# KiCad board vanilla-ice40-8k.kicad_pcb (continued)
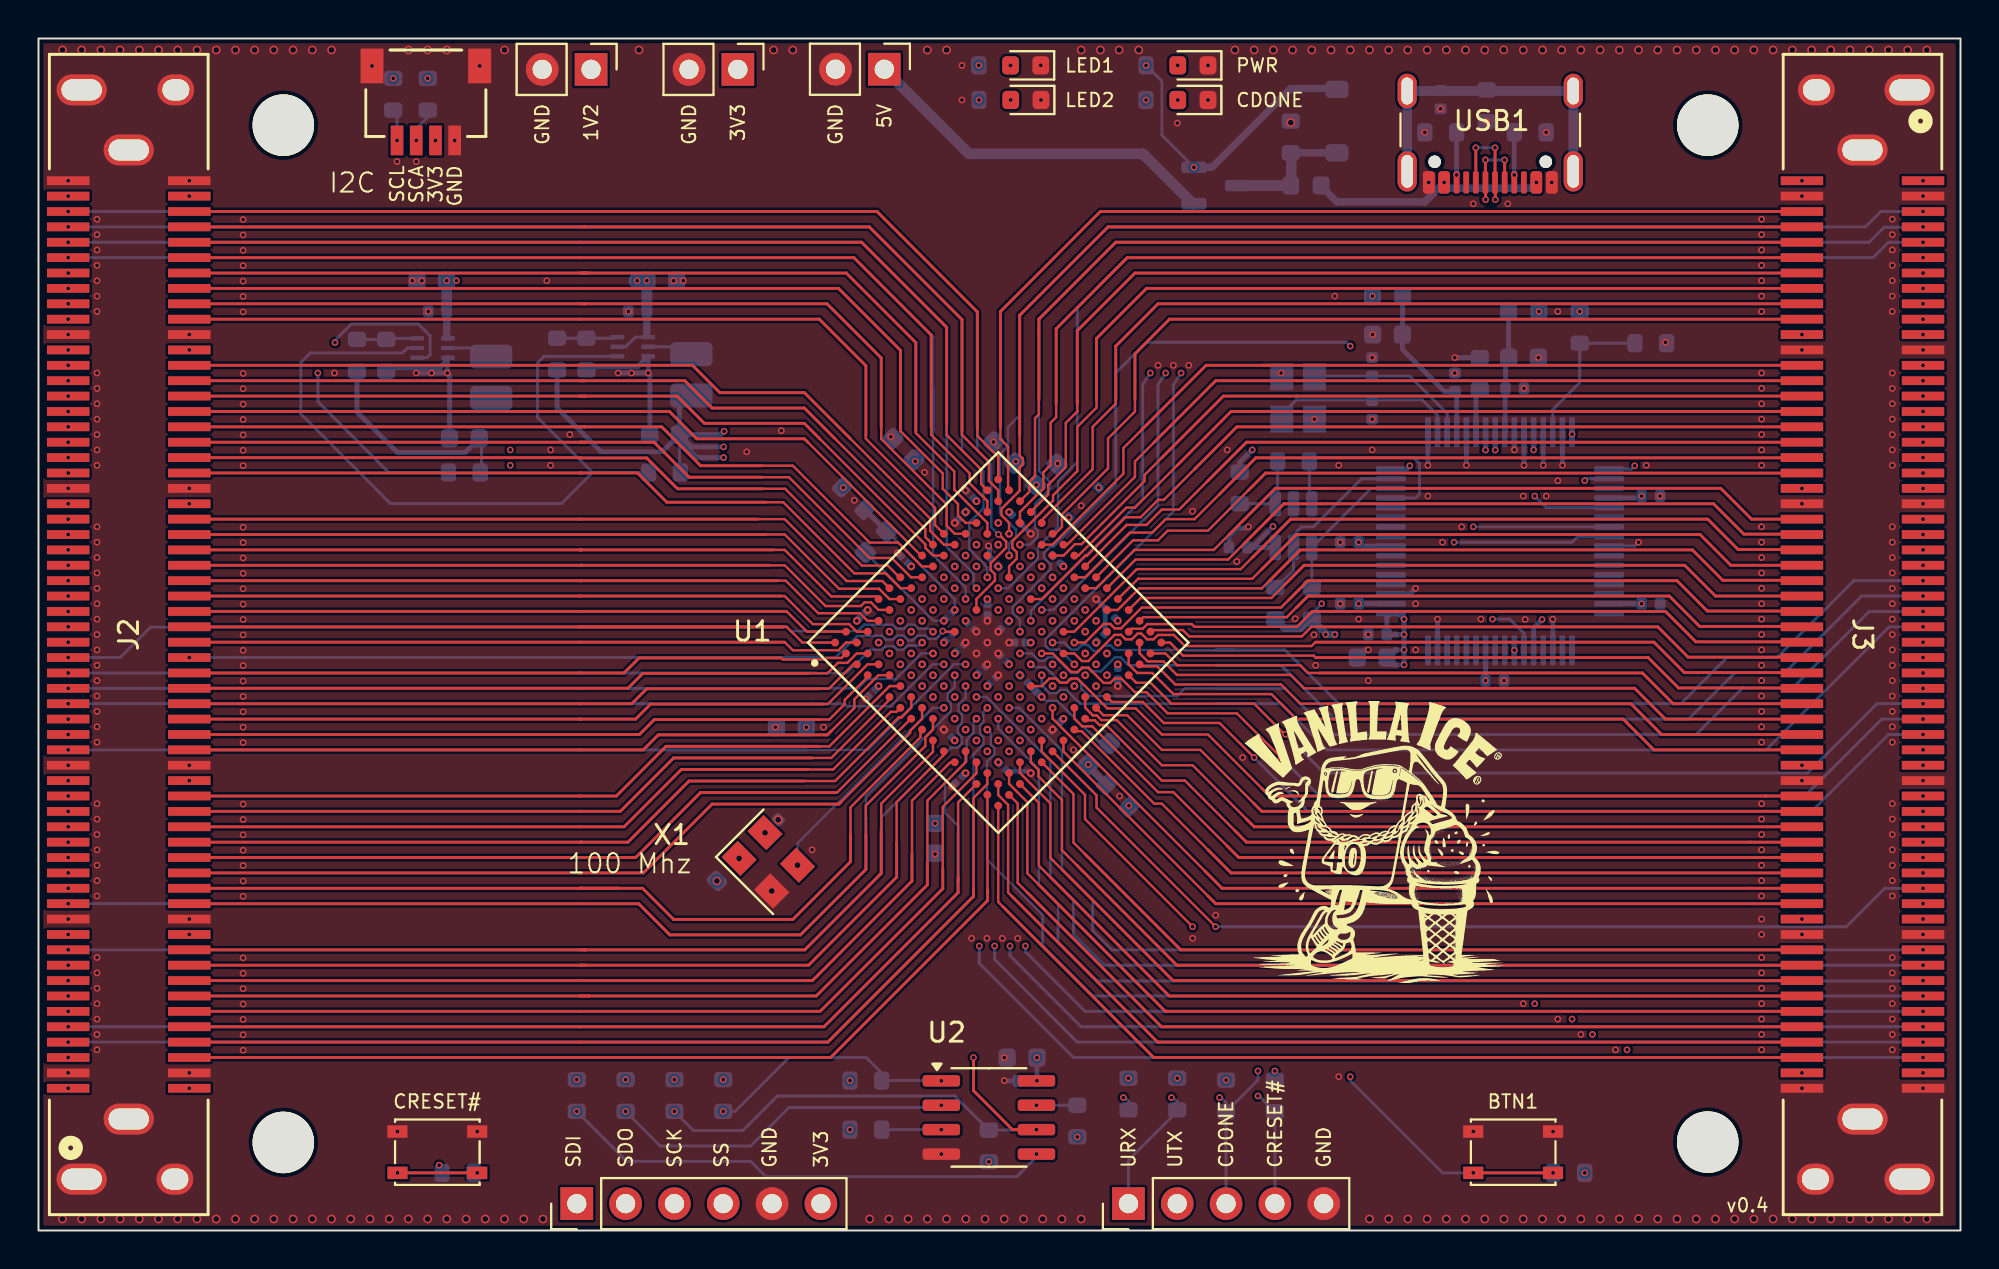
[diagram p0: board, top side]
## Routing (per net, layer and track width the routed paths; a pad name or vN(x,y) marks a point on that pad's centre or on a via; arc(x,y) is an arc through that point) (continued)
/IOB_91: length 35
  Top w0.127: 66.65,29 66.05,29 65.65,29.4 59.25,29.4 58.63,30.01 U1.T15
  Top w0.156: J3.95 85.05,27.4 83.45,29 66.65,29
/IOB_92: length 36.2
  Top w0.127: U1.T14 57.29,29.34 ; U1.T14 57.38,29.45 ; U1.T14 57.39,29.35 58.2,29.35 59.15,28.4 64.65,28.4 65.65,27.4 67.05,27.4
  Top w0.156: 67.05,27.4 82.85,27.4 84.45,25.8 J3.97
/IOB_93: length 39.8
  Top w0.127: U1.M11 53.9,30.01 54.29,29.62 54.62,29.62 55.99,30.98 56.33,30.98 56.56,30.75 56.88,30.75 57.18,31.05 57.38,31.05 57.68,30.75 58.02,30.75 58.24,30.98 59.07,30.98 59.65,30.4 66.23,30.4 66.43,30.6 66.45,30.6
  Top w0.156: 91.03,29.02 85.63,29.02 84.05,30.6 66.45,30.6
/IOB_94: length 44.9
  Top w0.127: U1.T13 57.11,28.49 57.86,28.49 58.95,27.4 63.25,27.4 64.83,25.81 v1(64.87,25.81)
  Bottom w0.156: v1(98.05,27.4) 95.65,27.4 92.05,23.8 66.89,23.8 v1(64.87,25.81)
/IOB_98: length 46.3
  In2.Cu w0.127: 60.25,29.8 56.32,29.8 55.74,30.38 55.34,30.38 54.98,30.01 v1(54.46,30.01)
  In2.Cu w0.156: v1(98.05,35.4) 95.65,35.4 92.45,32.2 64.25,32.2 61.85,29.8 60.25,29.8
/IOB_99: length 50.7
  Bottom w0.127: v1(52.76,30.58) 53.38,30.58 53.74,30.21 54.04,30.21 54.29,30.46 54.59,30.46 54.9,30.14 55.14,30.14 55.42,30.43 55.79,30.43 56.02,30.2 62.25,30.2
  Bottom w0.156: 61.25,30.2 64.85,30.2 67.65,27.4 85.45,27.4 87.85,29.8 90.45,29.8 94.45,33.8 v1(98.05,33.8)
/IOB_100: length 33.6
  Top w0.127: U1.T16 58.87,30.58 59.55,29.9 66.35,29.9 66.45,29.8
  Top w0.156: 91.03,28.22 85.33,28.22 83.75,29.8 66.45,29.8
/IOB_101: length 39.3
  Top w0.127: 65.05,32.8 64.65,32.4 57.4,32.4 56.32,31.32 55.99,31.32 55.76,31.55 55.42,31.55 54.45,30.58 v1(53.89,30.58)
  Top w0.156: 65.05,32.8 66.05,33.8 85.25,33.8 86.83,32.22 91.03,32.22
/IOB_102: length 34.2
  Top w0.127: U1.R16 57.94,31.23 59.54,31.23 59.87,30.9 65.73,30.9 65.94,31.12 65.94,31.12 66.22,31.4 66.45,31.4
  Top w0.156: 91.03,29.82 85.83,29.82 84.25,31.4 66.45,31.4
/IOB_105_SDO: length 60.3
  Top w0.156: 28.05,1.44 J5.1
  In3.Cu w0.127: 57.25,19.8 57.25,27.74 55.54,29.45 v1(55.02,29.45)
  In3.Cu w0.156: 57.25,19.8 57.25,13 53.25,9 53.25,4.29 52.93,3.98 v1(51.92,3.98) ; J5.1 v1(28.01,6.2)
  Bottom w0.156: v1(28.01,6.2) 28.01,6.16 ; v1(28.01,6.2) 30.61,3.6 37.05,3.6 37.85,2.8 50.9,2.8 51.92,3.83 v1(51.92,3.98) ; v1(28.01,6.2) 28.05,6.2
/IOB_106_SDI: length 50.5
  In3.Cu w0.127: v1(54.46,28.88) 54.46,24.59 53.85,23.98 53.85,19.8
  In3.Cu w0.156: J5.2 v1(30.55,6.2) ; 53.85,19.8 53.85,16.4 45.25,7.8 45.25,7 45.73,6.52 v1(46.97,6.52)
  Bottom w0.156: v1(30.55,6.2) 32.35,4.4 37.05,4.4 39.05,6.4 46.86,6.4 v1(46.97,6.52)
/IOB_107_SCK: length 53.6
  Top w0.156: v1(48.65,9) 48.65,7.27 50.67,5.25 v1(51.92,5.25)
  In3.Cu w0.127: 54.98,28.28 v1(55.02,28.32) 55.25,28.09 55.25,19.8
  In3.Cu w0.156: v1(48.65,9) 55.25,15.6 55.25,19.8 ; J5.3 v1(33.09,6.2)
  Bottom w0.156: 51.9,5.22 R20.2 47.67,7 38.45,7 36.65,5.2 34.09,5.2 v1(33.09,6.2)
/IOB_108_SS: length 44.9
  In3.Cu w0.127: 56.25,19.8 56.25,22.08 55.88,22.45 55.88,22.75 56.05,22.92 56.05,27.4 55.59,27.86 v1(55.59,28.88)
  In3.Cu w0.156: 56.25,19.8 56.25,14.4 49.63,7.79 v1(46.97,7.79) ; J5.4 v1(35.63,6.2)
  Bottom w0.156: v1(35.63,6.2) 36.25,6.2 39.05,9 43.06,9 43.87,8.19 R18.2 46.96,7.8 v1(46.97,7.79)
/IOL_1A: length 45.4
  In2.Cu w0.127: 39.65,26.6 40.27,26.6 43.43,29.76 44.01,29.76 44.12,29.65 44.43,29.65 44.79,30.01 v1(45.41,30.01)
  In2.Cu w0.156: 39.65,26.6 v1(1.55,26.6)
/IOL_1B: length 35.1
  Top w0.127: U1.B2 42.02,30.58 41.62,30.18 39.25,30.18 38.83,30.6
  Top w0.156: 38.83,30.6 28.16,30.6 J2.90
/IOL_2A: length 45.7
  Bottom w0.127: v1(46.54,30.01) 45.92,30.01 44.59,28.68 43.13,28.68 42.65,28.2 40.45,28.2
  Bottom w0.156: 40.43,28.2 v1(1.55,28.2)
/IOL_2B: length 34.7
  Top w0.127: 38.65,29.78 38.73,29.7 40.95,29.7 41.03,29.78 41.78,29.78 U1.B1
  Top w0.156: J2.88 30.47,29 31.25,29.78 38.65,29.78
/IOL_3A: length 35.7
  Top w0.127: U1.C1 42.4,29.45 41.13,28.18 40.65,28.18
  Top w0.156: 28.16,27.4 28.25,27.4 ; 28.25,27.4 30.87,27.4 31.65,28.18 40.65,28.18 ; 28.25,27.4 J2.86
/IOL_3B: length 36
  Top w0.127: 40.05,28.98 41.05,28.98 41.59,29.53 42.08,29.53 42.57,30.01 U1.C2
  Top w0.156: 40.05,28.98 31.45,28.98 30.67,28.2 28.16,28.2 J2.87
/IOL_4A: length 47.3
  In2.Cu w0.127: 40.65,25.18 41.12,25.18 45.39,29.45 v1(45.97,29.45)
  In2.Cu w0.156: 40.65,25.18 32.65,25.18 30.07,22.6 v1(1.55,22.6)
/IOL_4B: length 37.1
  Top w0.127: U1.D2 43.14,29.45 41.07,27.38 40.85,27.38
  Top w0.156: 28.16,26.6 28.25,26.6 ; 28.25,26.6 J2.85 ; 28.25,26.6 31.07,26.6 31.85,27.38 40.85,27.38
/IOL_5A: length 46.6
  Bottom w0.127: v1(47.1,29.45) 46.52,29.45 44.34,27.27 42.05,27.27 41.95,27.38 ; 40.25,27.4 41.95,27.4
  Bottom w0.156: 40.33,27.4 v1(1.55,27.4)
/IOL_5B: length 36.8
  Top w0.127: U1.D1 43.14,28.8 41.95,27.6 41.95,27.38 41.15,26.58 40.65,26.58
  Top w0.156: 28.16,25.8 28.25,25.8 ; 28.25,25.8 J2.84 ; 28.25,25.8 31.27,25.8 32.05,26.58 40.65,26.58
/IOL_6A: length 48.9
  In2.Cu w0.127: v1(46.54,28.88) 46.54,28.37 46.12,27.95 46.02,27.95 41.45,23.38 40.95,23.38
  In2.Cu w0.156: 40.95,23.38 33.85,23.38 30.67,20.2 v1(1.55,20.2)
/IOL_6B: length 45.1
  In2.Cu w0.127: 40.25,25.8 41.05,25.8 42.45,27.2 42.45,27.63 44.21,29.39 44.79,29.39 v1(44.84,29.45)
  In2.Cu w0.156: 40.33,25.8 v1(1.55,25.8)
/IOL_7A: length 55.7
  Bottom w0.127: v1(47.67,28.88) 47.67,28.27 47.3,27.9 47.3,27.6 47.47,27.43 47.47,27.01 43.05,22.59 43.05,21.48
  Bottom w0.156: v1(1.55,17) 31.23,17 32.85,15.38 39.65,15.38 43.05,18.78 43.05,21.48
/IOL_7B: length 38.3
  Top w0.127: U1.E2 43.7,28.88 42.45,27.63 42.45,27.18 41.25,25.98
  Top w0.156: 41.25,25.98 41.05,25.78 32.25,25.78 31.47,25 28.16,25 J2.83
/IOL_8A: length 47.5
  In2.Cu w0.127: 41.05,23.98 41.35,23.98 45.68,28.32 v1(45.97,28.32)
  In2.Cu w0.156: v1(1.55,21) 30.47,21 33.45,23.98 41.05,23.98
/IOL_8B: length 46.9
  In2.Cu w0.127: 45.41,28.84 v1(45.41,28.88) 45.41,28.74 41.25,24.58 40.95,24.58
  In2.Cu w0.156: v1(1.55,21.8) 30.29,21.8 33.07,24.58 40.95,24.58
/IOL_9A: length 48.9
  In2.Cu w0.127: 40.85,22.78 41.55,22.78 46.52,27.75 v1(46.54,27.75)
  In2.Cu w0.156: 41.25,22.78 34.45,22.78 31.07,19.4 v1(1.55,19.4)
/IOL_9B: length 39.4
  Top w0.127: U1.F2 44.28,28.32 41.15,25.18 40.65,25.18
  Top w0.156: J2.80 30.07,22.6 32.65,25.18 40.65,25.18
/IOL_10A: length 48.5
  Bottom w0.127: v1(48.24,29.45) 47.62,29.45 43.17,25 39.93,25
  Bottom w0.156: 39.93,25 v1(1.55,25)
/IOL_10B: length 39.1
  Top w0.127: U1.F1 44.28,27.61 41.25,24.58 40.25,24.58
  Top w0.156: 40.25,24.58 33.05,24.58 30.27,21.8 28.25,21.8 ; 28.25,21.8 J2.79 ; 28.25,21.8 28.16,21.8
/IOL_11A: length 49.9
  In2.Cu w0.127: 41.45,22.18 41.58,22.18 47.1,27.7 v1(47.1,28.32)
  In2.Cu w0.156: v1(1.55,18.6) 31.47,18.6 35.05,22.18 41.45,22.18
/IOL_11B: length 41.1
  Top w0.127: 39.85,23.38 41.45,23.38 44.75,26.68 44.9,26.68 45.41,27.19 U1.G2
  Top w0.156: 28.25,20.2 30.67,20.2 33.85,23.38 39.85,23.38 ; 28.25,20.2 J2.77 ; 28.25,20.2 28.16,20.2
/IOL_12A: length 53.8
  In2.Cu w0.127: v1(47.67,27.75) 47.67,27.23 47.26,26.82 46.93,26.82 45.19,25.09 45.19,24.93 42.25,21.98 42.25,21.68
  In2.Cu w0.156: 42.25,21.88 42.25,19.18 39.25,16.18 33.05,16.18 31.43,17.8 v1(1.55,17.8)
/IOL_12B: length 42.2
  Top w0.127: 41.76,22.3 45.35,25.88 45.35,25.99 45.97,26.61 U1.H2
  Top w0.156: 28.16,18.6 28.25,18.6 ; 28.25,18.6 31.47,18.6 35.05,22.18 41.65,22.18 41.76,22.3 ; 28.25,18.6 J2.75
/IOL_13A: length 56
  Bottom w0.127: 43.85,21.38 43.85,21.48 47.49,25.12 47.82,25.12 48.04,25.34 48.04,25.68 47.84,25.87 47.84,26.18 48.05,26.38 48.05,26.86 47.87,27.03 47.87,27.34 48.24,27.7 v1(48.24,28.32)
  Bottom w0.156: v1(1.55,14.6) 39.87,14.6 43.85,18.58 43.85,21.38
/IOL_13B: length 39.6
  Top w0.127: U1.G1 44.64,26.98 44.35,26.98 41.35,23.98 40.05,23.98
  Top w0.156: 40.05,23.98 33.45,23.98 30.47,21 28.16,21 J2.78
/IOL_14A_CLK: length 11.7
  Bottom w0.127: v2(39.49,19) 39.49,20.14 46.53,27.19 v1(47.1,27.19)
/IOL_14B: length 40.6
  Top w0.127: U1.H1 45.39,26.62 41.55,22.78 41.45,22.78
  Top w0.156: 41.45,22.78 34.45,22.78 31.07,19.4 28.16,19.4 J2.76
/IOL_15A: length 46.6
  Top w0.127: 43.05,20.58 43.05,22.11 46.14,25.2 46.14,25.65 46.54,26.05 U1.J2
  Top w0.156: 43.05,20.58 43.05,18.78 39.65,15.38 32.85,15.38 31.23,17 28.16,17 J2.73
/IOL_15B: length 48.8
  Top w0.127: U1.J1 45.89,25.97 45.89,25.65 42.25,22.01 42.25,20.58 42.26,20.59
  Top w0.156: 42.25,20.58 42.25,19.18 39.25,16.18 33.05,16.18 31.43,17.8 28.25,17.8 ; 28.25,17.8 30.2,17.8 28.16,17.8 28.25,17.8 ; 28.25,17.8 J2.74
/IOL_16A: length 46
  Top w0.127: U1.K1 46.54,24.9 43.85,22.2 43.85,20.78
  Top w0.156: 43.85,20.78 43.85,18.58 39.87,14.6 28.45,14.6 ; 28.45,14.6 J2.70 ; 28.45,14.6 28.16,14.6
/IOL_16B: length 54.2
  In2.Cu w0.127: 43.85,20.3 43.85,22.88 46.74,25.77 46.74,26.21 47.1,26.57 47.62,26.57 v1(47.67,26.62)
  In2.Cu w0.156: 43.85,20.3 43.85,18.6 39.85,14.6 2.35,14.6 v1(1.55,13.8)
/IOL_17A: length 59.2
  Bottom w0.127: 47.85,20.68 47.85,21.05 47.16,21.73 47.16,23.3 48.29,24.42 48.29,25.52 48.65,25.88 48.65,26.47 v1(48.8,26.62)
  Bottom w0.156: v1(1.55,10.6) 40.87,10.6 47.85,17.58 47.85,20.68
/IOL_17B: length 46.5
  Top w0.127: U1.L1 47.1,24.74 44.65,22.28 44.65,20.18
  Top w0.156: 44.65,20.18 44.65,18.38 40.07,13.8 28.45,13.8 ; 28.16,13.8 28.45,13.8 ; 28.45,13.8 28.25,13.8 J2.69
/IOL_18A: length 55.7
  In2.Cu w0.127: 47.95,26.38 48.24,26.67 v1(48.24,27.19) ; 47.99,26.42 44.65,23.08 44.65,22.28
  In2.Cu w0.156: v1(1.55,13) 2.35,13.8 40.05,13.8 44.65,18.4 44.65,22.28
/IOL_18B: length 47
  Top w0.127: 45.45,19.58 45.45,22.36 47.45,24.36 U1.M1
  Top w0.156: 45.45,19.58 45.45,18.18 40.27,13 28.16,13 J2.68
/IOL_19A: length 65.7
  In3.Cu w0.127: v1(49.93,27.75) 49.73,27.55 49.73,27.03 49.55,26.85 49.55,26.49 49.75,26.29 49.75,25.82 49.57,25.64 49.57,25.24 49.73,25.07 49.73,24.67 48.95,23.89 v1(48.95,14.8)
  Bottom w0.156: v1(48.95,14.8) 48.95,13.9 53.85,9 v1(98.05,9)
/IOL_19B: length 55.5
  In2.Cu w0.127: 45.45,21.2 45.45,22.9 47.67,25.12 47.82,25.12 48.24,25.54 v1(48.24,26.05)
  In2.Cu w0.156: 45.45,21.2 45.45,18.2 40.25,13 2.35,13 v1(1.55,12.2)
/IOL_20A: length 59.6
  Bottom w0.127: 53.85,16.4 53.85,17.2 52.65,18.4 52.65,24.42 49.32,27.75 v1(48.8,27.75)
  Bottom w0.156: 53.85,16.4 53.85,15.4 55.45,13.8 v1(98.05,13.8)
/IOL_20B: length 49.3
  Top w0.127: 46.25,18.98 46.25,22.36 48.24,24.35 U1.M2
  Top w0.156: 28.65,12.2 40.47,12.2 46.25,17.98 46.25,19.18 ; 28.65,12.2 28.16,12.2 ; 28.65,12.2 J2.67
/IOL_21A: length 65
  In3.Cu w0.127: v1(50.5,28.32) 50.5,27.8 50.13,27.43 50.13,26.94 50.3,26.77 50.3,26.47 50.13,26.3 50.13,25.81 50.3,25.64 50.3,25.34 50.13,25.17 50.13,24.67 50.3,24.51 50.3,24.21 49.75,23.66 v1(49.75,14.8)
  Bottom w0.156: v1(98.05,9.8) 58.65,9.8 54.05,9.8 49.75,14.1 v1(49.75,14.8)
/IOL_21B: length 49.1
  Top w0.127: 47.05,18.78 47.05,22.03 48.8,23.79 U1.N2
  Top w0.156: 47.05,18.78 47.05,17.78 40.67,11.4 28.16,11.4 J2.66
/IOL_22A: length 57.5
  In2.Cu w0.127: 98.03,14.58 v1(98.05,14.6)
  Bottom w0.127: 54.85,16.4 54.85,17.2 53.25,18.8 53.25,24.95 51.02,27.19 v1(50.5,27.19)
  Bottom w0.156: 54.85,16.6 54.85,15.6 55.85,14.6 v1(98.05,14.6)
/IOL_22B: length 56
  In2.Cu w0.127: 46.25,20.3 46.25,22.93 v1(48.8,25.49)
  In2.Cu w0.156: v1(1.55,11.4) 2.35,12.2 40.45,12.2 46.25,18 46.25,20.3
/IOL_23A: length 60.6
  Bottom w0.127: 48.65,20.58 48.65,24.78 49.17,25.3 49.17,25.64 48.99,25.82 48.99,26.29 49.17,26.47 49.17,26.99 v1(49.37,27.19)
  Bottom w0.156: 48.65,20.68 48.65,17.38 41.07,9.8 v1(1.55,9.8)
/IOL_23B: length 58.2
  In2.Cu w0.127: v1(49.37,24.92) 49.17,24.92 48.4,24.16 48.08,24.16 47.05,23.12 47.05,20
  In2.Cu w0.156: v1(1.55,9) 2.25,9.7 2.25,10.8 2.85,11.4 40.65,11.4 47.05,17.8 47.05,20
/IOL_24A: length 49.1
  Top w0.127: 47.85,18.18 47.85,22.27 U1.P1
  Top w0.156: 47.85,18.38 47.85,17.58 40.87,10.6 28.16,10.6 J2.65
/IOL_24B: length 59.6
  Bottom w0.127: v1(49.37,26.05) 49.55,25.87 49.55,25.26 49.73,25.07 49.73,24.77 49.35,24.39 49.35,19.3 52.25,16.4 52.25,16.2
  Bottom w0.156: 52.25,16.2 52.25,14.8 54.85,12.2 v1(98.05,12.2)
/IOL_25A: length 50.6
  Top w0.127: 48.65,17.78 48.65,22.5 49.37,23.22 U1.P2
  Top w0.156: J2.64 28.16,9.8 41.07,9.8 48.65,17.38 48.65,17.78
/IOL_25B: length 59
  Bottom w0.127: v1(49.93,26.62) 49.93,26.1 52.05,23.99 52.05,18 53.05,17 53.05,16
  Bottom w0.156: 53.05,16.2 53.05,15 55.07,12.98 98.07,12.98 v1(98.05,13)
/IOL_26A: length 63.8
  Top w0.127: 49.38,17.62 49.38,17.62 49.38,22.65 U1.R1
  Top w0.156: 28.25,9 28.45,9 ; 28.25,9 41.22,9 49.38,17.16 49.38,17.71 ; 28.25,9 28.16,9 ; 28.45,9 J2.63 ; 28.45,9 41.23,9
/IOL_26B: length 50.6
  In2.Cu w0.127: v1(49.93,25.49) 50.55,25.49 51.38,24.65 52.39,24.65 57.65,19.4 58.05,19.4
  In2.Cu w0.156: v1(98.05,19.4) 58.05,19.4
/IOR_109: length 37.4
  Top w0.127: U1.R14 56.72,29.44 57.16,29 57.95,29 59.05,27.9 64.15,27.9 65.45,26.6
  Top w0.156: 65.45,26.6 82.45,26.6 84.05,25 J3.98
/IOR_110: length 36.4
  Top w0.127: U1.R15 57.29,30.02 57.71,29.6 58.53,29.6 59.23,28.9 65.15,28.9 65.85,28.2 66.65,28.2
  Top w0.156: J3.96 84.65,26.6 83.05,28.2 66.65,28.2
/IOR_111: length 44.2
  In2.Cu w0.127: 60.25,30.6 56.18,30.6 v1(56.16,30.58)
  In2.Cu w0.156: 60.25,30.6 61.45,30.6 63.85,33 92.25,33 95.45,36.2 v1(98.05,36.2)
/IOR_112: length 35.5
  Top w0.127: 66.05,31.97 65.48,31.4 60.14,31.4 60,31.54 57.69,31.54 57.45,31.3 56.88,31.3 U1.P15
  Top w0.156: 66.07,32 66.27,32.2 84.65,32.2 86.23,30.62 91.03,30.62
/IOR_113: length 34.9
  Top w0.127: U1.P16 57.48,31.9 64.95,31.9 64.95,31.91 65.44,32.4 65.45,32.4
  Top w0.156: 91.03,31.42 86.43,31.42 84.85,33 66.05,33 65.45,32.4
/IOR_114: length 47.4
  In2.Cu w0.127: v1(54.46,31.15) 54.46,31.66 54.87,32.08 56.31,32.08 56.38,32 59.45,32 59.85,32.4 60.45,32.4
  In2.Cu w0.156: v1(98.05,39.4) 96.45,39.4 91.65,34.6 63.05,34.6 60.85,32.4 60.45,32.4
/IOR_115: length 45.6
  In2.Cu w0.127: 60.3,31.45 56.6,31.45 56.45,31.3 55.44,31.3 v1(55.02,31.71)
  In2.Cu w0.156: v1(98.05,37) 95.25,37 92.03,33.78 63.43,33.78 61.1,31.45 60.3,31.45
/IOR_116: length 40.8
  Top w0.127: U1.L12 53.89,31.15 57.14,34.4 62.55,34.4 63.15,35
  Top w0.156: 91.03,35.42 88.43,35.42 86.85,37 65.15,37 63.15,35
/IOR_117: length 36.7
  Top w0.127: 64.85,33.6 64.15,32.9 57.34,32.9 U1.N16
  Top w0.156: J3.88 87.25,33 85.65,34.6 65.85,34.6 64.85,33.6
/IOR_118: length 48.3
  In2.Cu w0.127: 59.85,34.2 59.45,34.2 58.85,33.6 56.25,33.6 56.05,33.4 55.06,33.4 53.89,32.23 v1(53.89,31.71)
  In2.Cu w0.156: 59.85,34.2 60.15,34.2 62.15,36.2 91.25,36.2 96.05,41 v1(98.05,41)
/IOR_119: length 46.9
  In2.Cu w0.127: v1(54.46,32.28) 54.66,32.48 55.18,32.48 55.5,32.8 59.05,32.8 59.45,33.2 59.75,33.2
  In2.Cu w0.156: v1(98.05,40.2) 96.31,40.2 91.51,35.4 62.35,35.4 60.15,33.2 59.75,33.2
/IOR_120: length 49.2
  In2.Cu w0.127: 54.25,29.61 53.35,30.51 53.35,30.7 52.76,31.29 v1(52.76,31.71) ; 54.25,29.61 54.78,29.08 55.27,29.08 55.44,29.25 55.84,29.25 56.09,29 60.25,29 ; 54.25,29.61 54.26,29.6
  In2.Cu w0.156: 60.25,29 62.25,29 64.65,31.4 92.65,31.4 95.85,34.6 v1(98.05,34.6)
/IOR_121: length 37.6
  Top w0.127: U1.M16 57.21,33.9 63.15,33.9 63.65,34.4
  Top w0.156: 63.65,34.4 65.45,36.2 86.45,36.2 88.05,34.6 J3.86
/IOR_122_BUT1: length 79.9
  Top w0.156: v1(74.65,3) v1(78.8,3)
  In3.Cu w0.156: v1(68.25,8) v1(68.25,46)
  Bottom w0.127: 56.05,39.4 56.05,38.8 52.81,35.56 52.62,35.56 52.31,35.25 52.31,35.01 52.66,34.65 52.66,34.39 50.7,32.43 50.7,32.13 51.06,31.76 v1(51.06,31.15)
  Bottom w0.156: v1(68.25,8) 68.25,7.8 73.05,3 v1(74.65,3) ; 56.05,39.4 56.05,44.6 57.65,46.2 68.05,46.2 v1(68.25,46)
/IOR_123: length 37.4
  Top w0.127: U1.M15 56.15,32.28 57.27,33.4 63.65,33.4 64.05,33.8
  Top w0.156: 91.03,33.82 87.63,33.82 86.05,35.4 65.65,35.4 64.05,33.8
/IOR_126_UTX: length 63
  In3.Cu w0.156: J4.2 59.25,3.7 56.45,6.5 56.45,7 55.85,7.6 55.85,8.4 59.45,12 59.45,42.2 57.85,43.8 v1(57.85,44.6)
  Bottom w0.127: v1(51.63,31.71) 51.63,32.23 57.45,38.05 57.45,38.4
  Bottom w0.156: R25.2 56.71,6.74 56.45,7 ; 57.45,38.4 57.45,44 v1(57.85,44.6)
  vias: v1(56.45,6.91)
/IOR_127: length 37.9
  Top w0.127: U1.L16 57.08,34.9 61.9,34.9 62.75,35.75
  Top w0.156: 91.03,36.22 88.73,36.22 87.15,37.8 64.8,37.8 62.75,35.75
/IOR_128: length 49.3
  In2.Cu w0.127: 59.65,36.2 59.25,35.8 58.85,35.8 58.05,35 55.53,35 53.33,32.79 v1(53.33,32.28)
  In2.Cu w0.156: v1(98.05,42.6) 95.65,42.6 92.45,39.4 91.25,39.4 89.65,37.8 61.25,37.8 59.65,36.2
/IOR_129: length 47.9
  In2.Cu w0.127: v1(53.89,32.84) 55.45,34.4 58.55,34.4 59.15,35 59.45,35
  In2.Cu w0.156: v1(98.05,41.8) 95.85,41.8 92.23,38.18 91.23,38.18 90.05,37 61.65,37 59.65,35 59.45,35
/IOR_130: length 40.4
  Top w0.127: U1.J15 54.45,33.97 56.78,36.3 57.95,36.3 58.65,37 60.15,37 61.45,38.3
  Top w0.156: 61.45,38.3 63.34,40.19 91.74,40.19 J3.79
/IOR_131: length 40.1
  Top w0.127: 61.95,36.2 61.15,35.4 57.02,35.4 55.03,33.41 U1.K15
  Top w0.156: 61.95,36.2 64.35,38.6 87.53,38.6 89.13,37 J3.83
/IOR_133: length 39
  Top w0.127: U1.K16 56.95,35.9 58.25,35.9 58.75,36.4 60.85,36.4 62.95,38.5
  Top w0.156: J3.80 91.74,39.39 63.84,39.39 62.95,38.5
/IOR_134: length 48.9
  In2.Cu w0.127: 58.85,36.96 57.69,35.8 55.72,35.8 v1(53.33,33.41)
  In2.Cu w0.156: v1(98.05,43.4) 95.45,43.4 92.25,40.2 89.25,40.2 87.65,38.6 60.49,38.6 58.85,36.96
/IOR_136_URX: length 61.5
  In3.Cu w0.156: 58.95,7 58.45,7.5 58.45,8.8 60.45,10.8 60.45,42.4 58.65,44.2 v1(58.65,44.6)
  Bottom w0.127: 58.25,38.2 58.25,37.71 52.81,32.28 v1(52.2,32.28)
  Bottom w0.156: 58.95,7 59.25,6.7 R24.2 58.9,5.93 58.9,5.85 ; J4.1 56.71,3.66 58.9,5.85 ; 58.25,38.2 58.25,44 v1(58.65,44.6) ; 58.9,5.85 58.95,5.9
  vias: v1(58.95,6.91)
/IOR_137: length 50.3
  In2.Cu w0.127: 58.15,37.3 57.45,36.6 56,36.6 52.76,33.36 v1(52.76,32.84)
  In2.Cu w0.156: v1(98.05,44.2) 95.05,44.2 91.83,40.98 88.83,40.98 87.23,39.38 60.23,39.38 58.15,37.3
/IOR_138: length 40
  Top w0.127: U1.J16 56.62,36.7 57.65,36.7 58.45,37.5 59.35,37.5 60.8,38.95
  Top w0.156: 60.8,38.95 62.85,41 J3.78
/IOR_139: length 52.3
  In2.Cu w0.127: v1(52.2,33.41) 52.2,34.02 52.69,34.52 52.69,35.05 55.45,37.8 56.65,37.8 57.45,38.6
  In2.Cu w0.156: v1(98.05,47.4) 95.85,47.4 91.05,42.6 87.85,42.6 86.25,41 59.85,41 57.45,38.6
/IOR_140_USR1: length 30.4
  In3.Cu w0.127: v1(51.06,32.28) 51.43,32.64 51.43,33.56 51.26,33.73 51.26,34.13 51.43,34.29 51.43,34.79 51.26,34.95 51.26,35.26 51.43,35.42 51.43,35.92 51.26,36.09 51.26,38.65 52.05,39.43 52.05,43.6
  In3.Cu w0.156: v1(48.92,60.6) 48.92,59.73 52.05,56.6 52.05,43.6
/IOR_141: length 41
  Top w0.127: 59.25,39.8 57.05,37.6 56.6,37.6 54.11,35.11 U1.H16
  Top w0.156: 59.25,39.8 62.05,42.6 65.25,42.6 J3.76
/IOR_142: length 50.2
  In2.Cu w0.127: 58.05,38.2 57.05,37.2 55.65,37.2 53.35,34.91 53.18,34.91 52.95,34.68 52.95,34.16 v1(52.76,33.97)
  In2.Cu w0.156: v1(98.05,45) 94.65,45 91.43,41.78 88.43,41.78 86.84,40.19 60.04,40.19 58.05,38.2
/IOR_143: length 42.4
  Top w0.127: 58.05,41 57.05,40 57.05,39.2 53.52,35.67 U1.G16
  Top w0.156: 58.05,41 61.25,44.2 65.45,44.2 J3.74
/IOR_144: length 43.9
  Top w0.127: U1.H12 52.2,32.84 54.46,35.1 54.55,35.1 56.55,37.1 57.35,37.1 58.25,38 58.55,38 60.2,39.65
  Top w0.156: 60.15,39.6 62.35,41.8 J3.77
/IOR_145: length 42.6
  Top w0.127: 58.43,40.18 57.55,39.3 57.55,38.98 54.27,35.7 53.93,35.7 53.33,35.11 U1.G15
  Top w0.156: 58.45,40.2 61.65,43.4 65.45,43.4 J3.75
/IOR_146_SCL: length 53.2
  In3.Cu w0.127: v1(49.93,32.28) 49.93,32.89 47.87,34.95 47.87,35.26 48.08,35.47 48.08,36.44 49.25,37.6 49.25,41.2 49.45,41.4 49.45,43.6
  In3.Cu w0.156: v1(18.66,56.69) 19.35,56 41.25,56 49.45,47.8 49.45,43.6
  Bottom w0.156: v1(18.66,56.69) 18.66,58.08 R2.2
/IOR_147: length 46.7
  Top w0.127: 57.05,43.2 57.05,42.6 55.65,41.2 55.65,39.64 53.24,37.24 53.24,36.93 53.25,36.93 53.25,36.6 52.88,36.24 U1.F16
  Top w0.156: 57.05,43.2 57.05,45.6 58.85,47.4 J3.70
/IOR_148_SCA: length 54.1
  In3.Cu w0.127: 50.65,43.6 50.65,40.32 49.78,39.45 49.78,37.17 48.44,35.82 48.44,35.52 50.5,33.46 v1(50.5,32.84)
  In3.Cu w0.156: 50.65,43.6 50.65,48.1 41.35,57.4 20.36,57.4 v1(19.66,56.69)
  Bottom w0.156: v1(19.66,56.69) 19.66,57.3 20.26,57.9 R1.2 ; 20.06,58.58 19.96,58.48
/IOR_149: length 44.6
  Top w0.127: U1.F15 52.75,35.67 56.45,39.36 56.45,40.7 57.4,41.65